# Altium PCB grov_pcb_card.PcbDoc
Units mil, origin at the board's own origin, x right, y up, seen from the top; angles counter-clockwise.
Board outline 3543.31 x 3543.31 mil, 2 copper layers (Top Layer, Bottom Layer); 27 components, 46 nets, 196 pads, 68 vias.
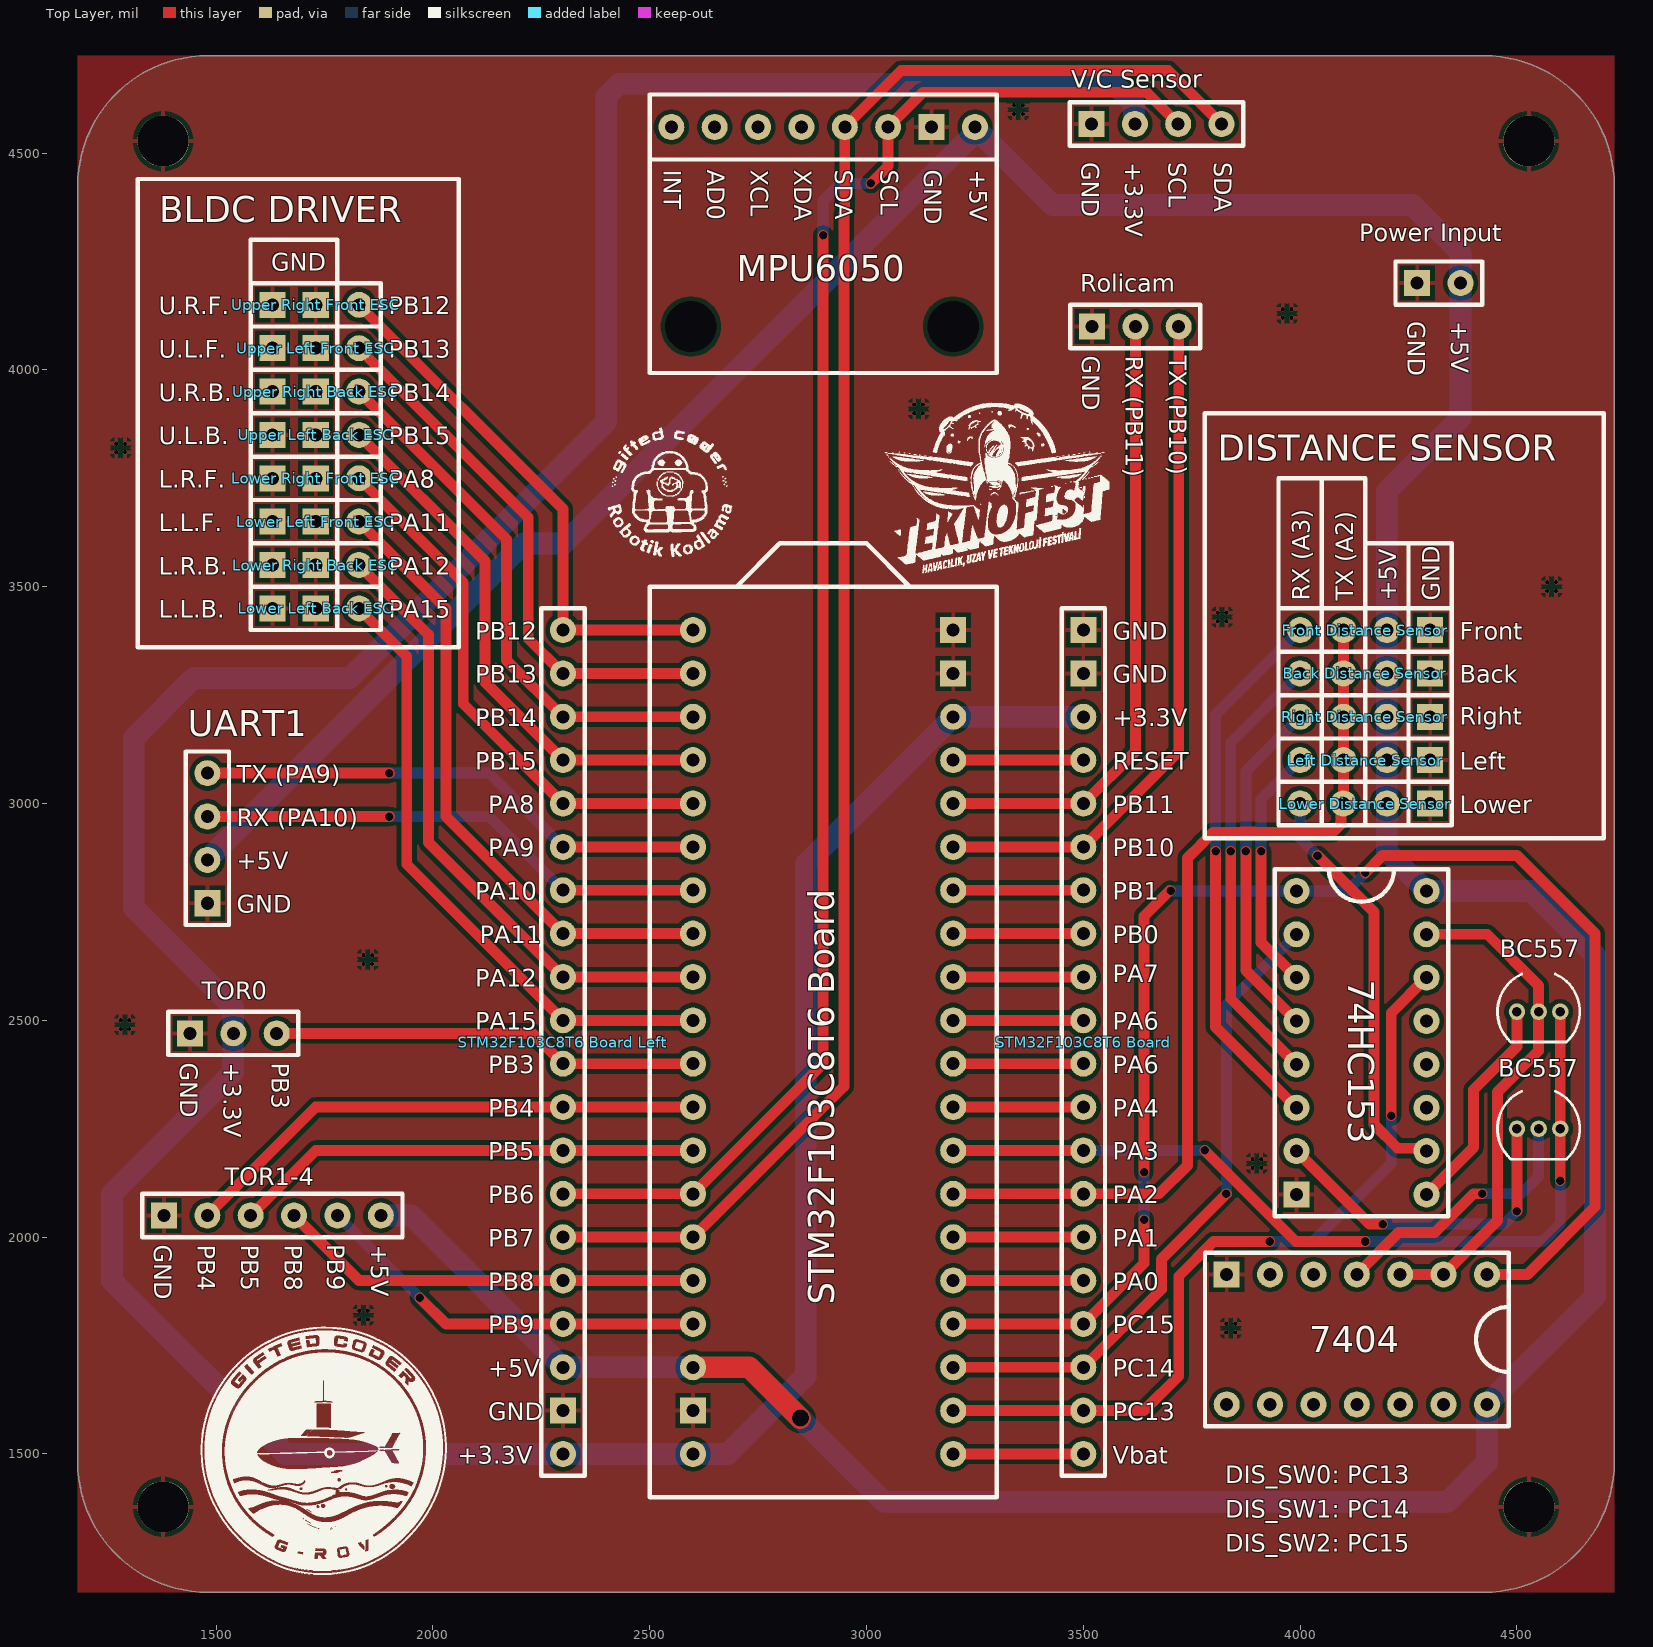
[diagram p0: Top Layer view]
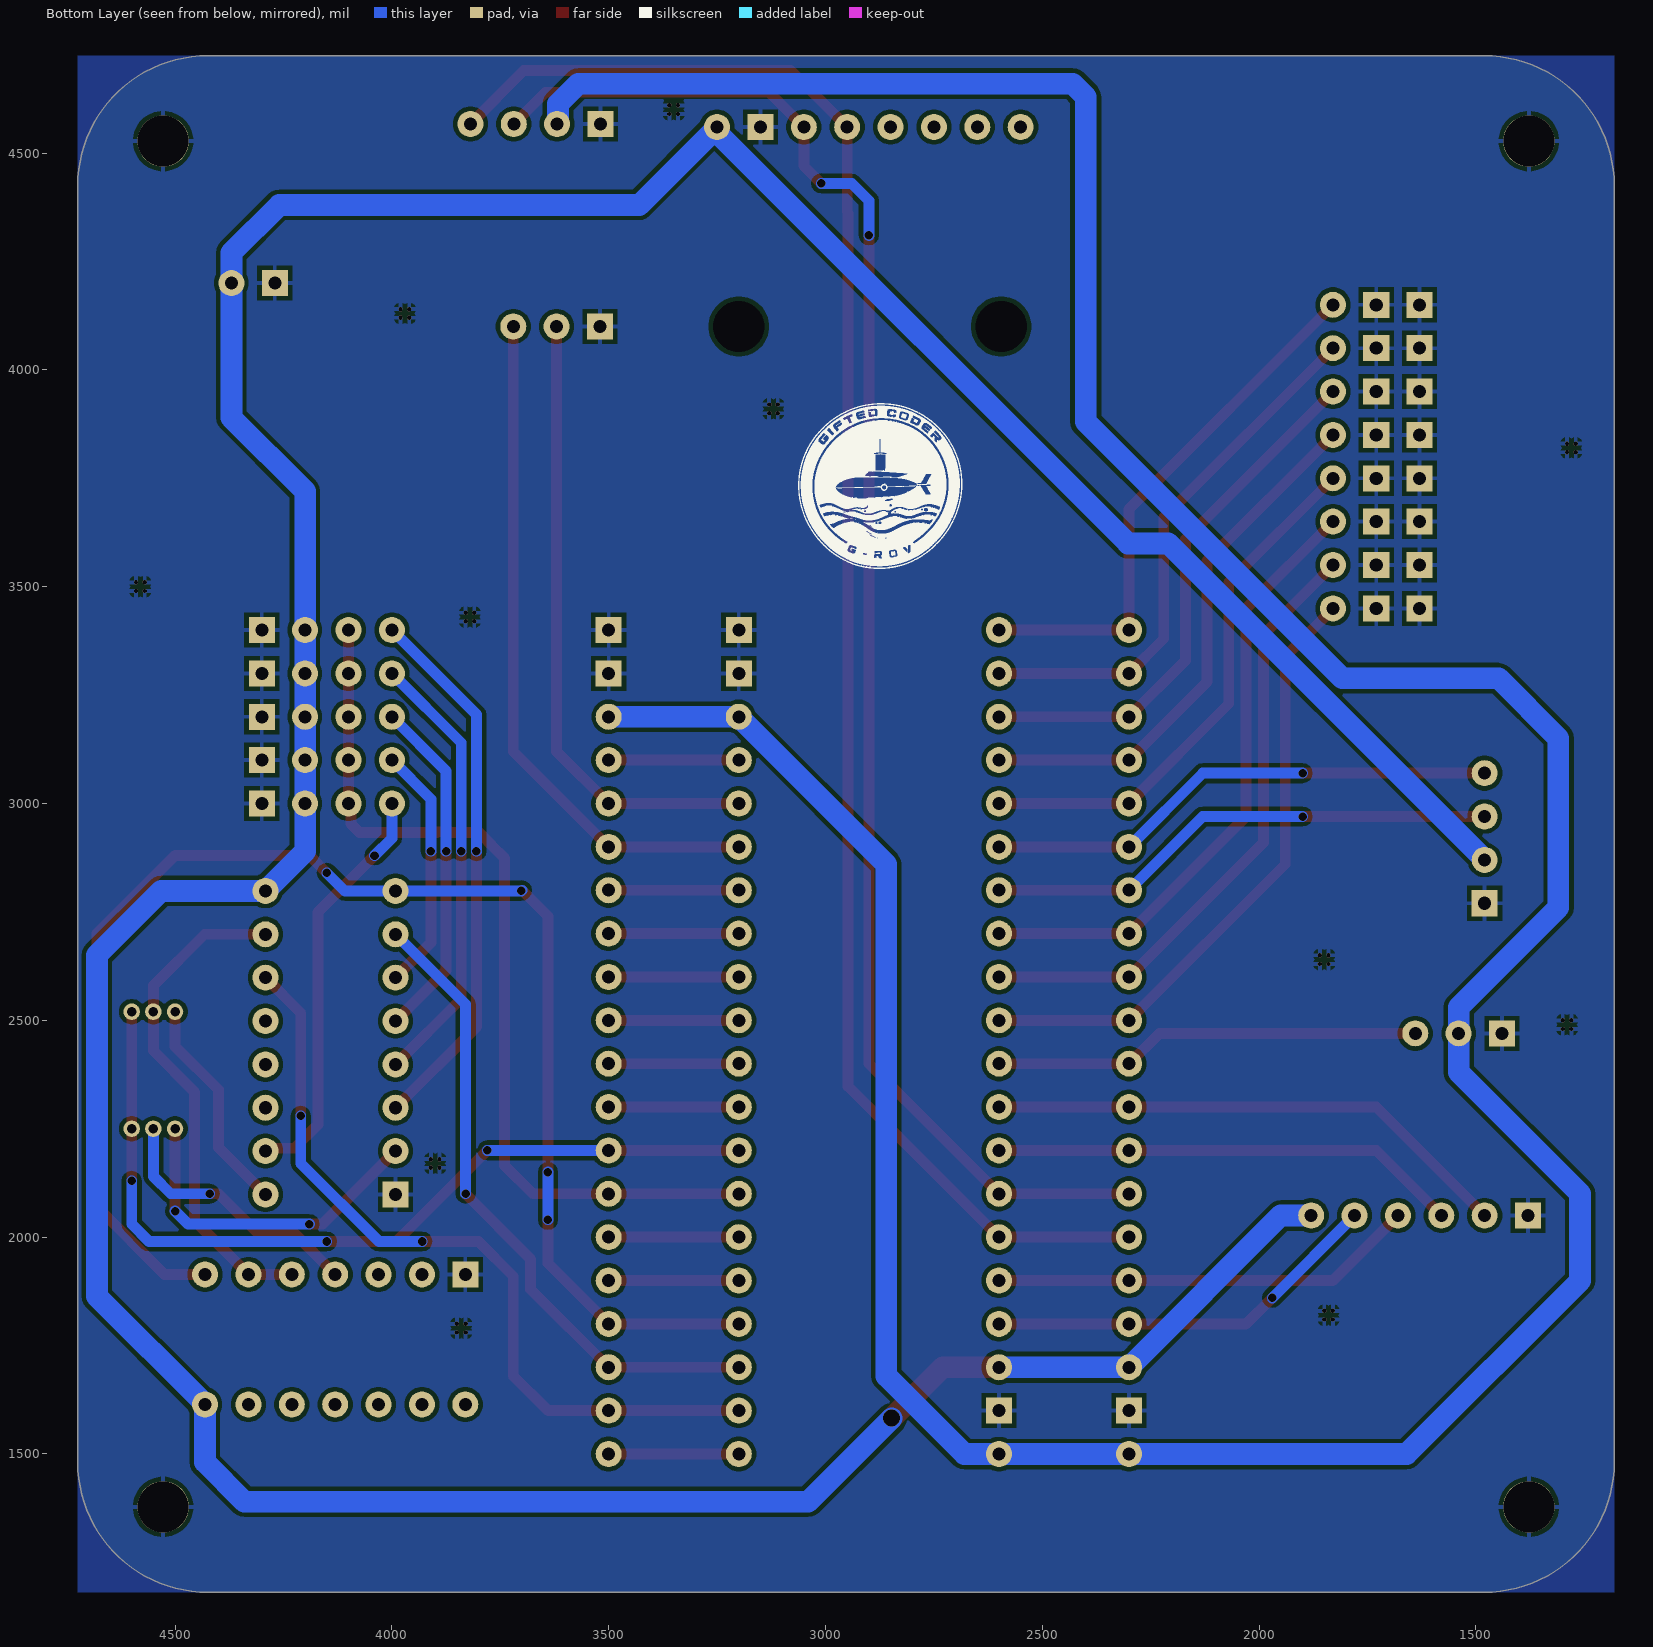
[diagram p1: Bottom Layer view, seen from below]

## Layer stack, top to bottom
Top Solder: solder mask 0.4, Solder Resist, Dk 3.5
Top Layer: signal copper 1.4
Dielectric 1: dielectric 12.6, FR-4, Dk 4.8
Bottom Layer: signal copper 1.4
Bottom Solder: solder mask 0.4, Solder Resist, Dk 3.5

## Board outline
1181.1,1481.1 1181.1,4424.41 cw(c1481.1,4424.41) 1481.1,4724.41 4424.41,4724.41 cw(c4424.41,4424.41) 4724.41,4424.41 4724.41,1481.1 cw(c4424.41,1481.1) 4424.41,1181.1 1481.1,1181.1 cw(c1481.1,1481.1)

## Design rules (kind name [scope] priority, off if disabled: settings)
Clearance [All] p1: gap=10 ignorepadtopadclearanceinfootprint=FALSE except(0: Arc-Hole Track-Hole SMDPad-Hole THPad-Hole Via-Hole Fill-Hole Poly-Hole Region-Hole Text-Hole)
HoleSize [All] p1: absolutevalues=TRUE maxlimit=200 minlimit=1 maxpercent=80.000 minpercent=20.000
MinimumSolderMaskSliver [All] p1: minsoldermaskwidth=1
PolygonConnect [All] p1: connectstyle=Relief reliefconductorwidth=10 reliefentries=4 polygonreliefangle="90 Angle" airgapwidth=10
RoutingVias [All] p1: holewidth=28 width=50 viastyle="Through Hole" minholewidth=28 minwidth=50 maxholewidth=28 maxwidth=50
SilkToSilkClearance [All] p1: silktosilkclearance=1
SolderMaskExpansion [All] p1: expansion=4 istentingtop=FALSE
Width [All] p1: maxlimit=50 minlimit=10 preferedwidth=25 minimp=50.000000 maximp=50.000000 favimp=50.000000
27 further rules are at their usual default settings.

## Classes and differential pairs
component class GROV_PCB_Ileri_v2: 74hc153 7404 "Back Distance Sensor" BC557 "Front Distance Sensor" "Left Distance Sensor" "Lower Distance Sensor" "Lower Left Back ESC" "Lower Left Front ESC" "Lower Right Back ESC" "Lower Right Front ESC" MPU6050 "Power Input" "Right Distance Sensor" Rolicam "STM32F103C8T6 Board" "STM32F103C8T6 Board Left" TOR0 TOR1-4 UART1 "Upper Left Back ESC" "Upper Left Front ESC" "Upper Right Back ESC" "Upper Right Front ESC" "V/C Sensor"

## Components (designator, comment, footprint, x,y, rotation, side; value= is the part's Value field where it differs from the comment)
74HC153 "74hc153" 74HC153 3991.34,2798.43 r0 top (schematic designator 74hc153)
7404 "7404" 7404 4430.71,1914.17 r270 top
"Back Distance Sensor" "Back Distance Sensor" "BACK DISTANCE SENSOR" 4000,3300 r0 top
BC557 "BC557" BC557 4550,2250 r0 top
BC557 "BC557" BC557 4550,2520 r0 top
"Front Distance Sensor" "Front Distance Sensor" "FRONT DISTANCE SENSOR" 4000,3400 r0 top
"Left Distance Sensor" "Left Distance Sensor" "LEFT DISTANCE SENSOR" 4000,3100 r0 top
"Lower Distance Sensor" "Lower Distance Sensor" "LOWER DISTANCE SENSOR" 4000,3000 r0 top
"Lower Left Back ESC" "Lower Left Back ESC" "Lower Left Back ESC" 1630,3450 r0 top
"Lower Left Front ESC" "Lower Left Front ESC" "Lower Left Front ESC" 1630,3650 r0 top
"Lower Right Back ESC" "Lower Right Back ESC" "Lower Right Back ESC" 1630,3550 r0 top
"Lower Right Front ESC" "Lower Right Front ESC" "Lower Right Front ESC" 1630,3750 r0 top
MPU6050 "MPU6050" MPU6050 2550,4560 r0 top
"Power Input" "Power Input" "Power Input" 4270,4200 r0 top
"Right Distance Sensor" "Right Distance Sensor" "RIGHT DISTANCE SENSOR" 4000,3200 r0 top
Rolicam "Rolicam" Rolicam 3520,4100 r0 top
"STM32F103C8T6 Board" "STM32F103C8T6 Board Right" "STM32F103C8T6 BOARD RIGHT" 3500,3400 r0 top
"STM32F103C8T6 Board" "STM32F103C8T6 Board" "STM32F103C8T6 BOARD" 2600,3400 r0 top
"STM32F103C8T6 Board Left" "STM32F103C8T6 Board Left" "STM32F103C8T6 BOARD LEFT" 2300,3400 r0 top
TOR0 "Torpido0" TORPIDO0 1440,2470 r0 top
TOR1-4 "Torpido1-4" Torpido1-4 1380,2050 r0 top
UART1 "UART1" UART1 1480,2770 r90 top
"Upper Left Back ESC" "Upper Left Back ESC" "Upper Left Back ESC" 1630,3850 r0 top
"Upper Left Front ESC" "Upper Left Front ESC" "Upper Left Front ESC" 1630,4050 r0 top
"Upper Right Back ESC" "Upper Right Back ESC" "Upper Right Back ESC" 1630,3950 r0 top
"Upper Right Front ESC" "Upper Right Front ESC" "Upper Right Front ESC" 1630,4150 r0 top
"V/C Sensor" "Voltage Current Sensor" "Voltage Current Sensor" 3518.9,4566.93 r0 top

## Footprints (in the part's own frame and the unit in brackets; to place one, negate y for a bottom-side part, rotate by r counter-clockwise, add the part's x,y. Pads: shape width x height; smd on the part's side, far side on the other; paste and mask are expansions set on the pad)
74HC153 [mil]
  round 60 hole 30: 1E(0,0) 1X0(0,-500) 1X1(0,-400) 1X2(0,-300) 1X3(0,-200) 1Y(0,-600) 2E(300,-100) 2X0(300,-600) 2X1(300,-500) 2X2(300,-400) 2X3(300,-300) 2Y(300,-700) +5V(300,0) A(300,-200) B(0,-100)
  rect 60x60 hole 30: GND(0,-700)
  silkscreen extent -50,-750 350,50, body extent -50,-762 352,62, height 310
7404 [mil]
  round 60 hole 30: 1X(0,0) 1Y(0,-100) 2X(0,-200) 2Y(0,-300) 3X(0,-400) 3Y(0,-500) 4X(300,-500) 4Y(300,-600) 5X(300,-300) 5Y(300,-400) 6X(300,-100) 6Y(300,-200) +5V(300,0)
  rect 60x60 hole 30: GND(0,-600)
  silkscreen extent -50,-650 350,50, body extent -50,-660 352,60, height 310
"BACK DISTANCE SENSOR" [mil]
  round 60 hole 30: +5V(200,0) RX(0,0) TX(100,0)
  rect 60x60 hole 30: GND(300,0)
  silkscreen extent -50,-50 350,50, body extent -50,-49 350,49, height 330
BC557 [mil]
  round 38 hole 22: B(-0.01,0) C(-50,0) E(50,0)
  silkscreen extent -95,-70 95,87, body extent -94,-60 94,94, height 305
"FRONT DISTANCE SENSOR" [mil]
  round 60 hole 30: +5V(200,0) RX(0,0) TX(100,0)
  rect 60x60 hole 30: GND(300,0)
  silkscreen extent -50,-50 350,50, body extent -50,-49 350,49, height 330
"LEFT DISTANCE SENSOR" [mil]
  round 60 hole 30: +5V(200,0) RX(0,0) TX(100,0)
  rect 60x60 hole 30: GND(300,0)
  silkscreen extent -50,-50 350,50, body extent -50,-49 350,49, height 330
"LOWER DISTANCE SENSOR" [mil]
  round 60 hole 30: +5V(200,0) RX(0,0) TX(100,0)
  rect 60x60 hole 30: GND(300,0)
  silkscreen extent -50,-50 350,50, body extent -50,-49 350,49, height 330
"Lower Left Back ESC" [mil]
  rect 60x60 hole 30: GND(0,0) GND(100,0)
  round 60 hole 30: SIG(200,0)
  silkscreen extent -50,-50 250,50, body extent -50,-50 250,50, height 350
"Lower Left Front ESC" [mil]
  rect 60x60 hole 30: GND(0,0) GND(100,0)
  round 60 hole 30: SIG(200,0)
  silkscreen extent -50,-50 250,50, body extent -50,-50 250,50, height 350
"Lower Right Back ESC" [mil]
  rect 60x60 hole 30: GND(0,0) GND(100,0)
  round 60 hole 30: SIG(200,0)
  silkscreen extent -50,-50 250,50, body extent -50,-50 250,50, height 350
"Lower Right Front ESC" [mil]
  rect 60x60 hole 30: GND(0,0) GND(100,0)
  round 60 hole 30: SIG(200,0)
  silkscreen extent -50,-50 250,50, body extent -50,-50 250,50, height 350
MPU6050 [mil]
  round 60 hole 118.11: 6(45,-460) 6(650,-460)
  round 60 hole 30: +5V(700,0) AD0(100,0) INT(0,0) SCL(500,0) SDA(400,0) XCL(200,0) XDA(300,0)
  rect 60x60 hole 30: GND(600,0)
  silkscreen extent -50,-567 750,75, body extent -52,-550 750,50, height 582
"Power Input" [mil]
  round 60 hole 30: +5V(100,0)
  rect 60x60 hole 30: GND(0,0)
  silkscreen extent -50,-50 150,50, body extent -50,-50 150,50, height 355
"RIGHT DISTANCE SENSOR" [mil]
  round 60 hole 30: +5V(200,0) RX(0,0) TX(100,0)
  rect 60x60 hole 30: GND(300,0)
  silkscreen extent -50,-50 350,50, body extent -50,-49 350,49, height 330
Rolicam [mil]
  rect 60x60 hole 30: GND(0,0)
  round 60 hole 30: RX(100,0) TX(200,0)
  silkscreen extent -50,-50 250,50, body extent -50,-50 250,50, height 330
"STM32F103C8T6 BOARD" [mil]
  round 60 hole 30: +3.3V(0,-1900) +3.3V(600,-200) +5V(0,-1700) PA0(600,-1500) PA1(600,-1400) PA2(600,-1300) PA3(600,-1200) PA4(600,-1100) PA5(600,-1000) PA6(600,-900) PA7(600,-800) PA8(0,-400) PA9(0,-500) PA10(0,-600) PA11(0,-700) PA12(0,-800) PA15(0,-900) PB0(600,-700) PB1(600,-600) PB3(0,-1000) PB4(0,-1100) PB5(0,-1200) PB6(0,-1300) PB7(0,-1400) PB8(0,-1500) PB9(0,-1600) PB10(600,-500) PB11(600,-400) PB12(0,0) PB13(0,-100) PB14(0,-200) PB15(0,-300) PC13(600,-1800) PC14(600,-1700) PC15(600,-1600) RESET(600,-300) Vbat(600,-1900)
  rect 60x60 hole 30: GND(0,-1800) GND(600,-100) GND(600,0)
  silkscreen extent -100,-2000 700,200, body extent -153,-2200 753,76, height 703
"STM32F103C8T6 BOARD LEFT" [mil]
  round 60 hole 30: +3.3V(0,-1900) +5V(0,-1700) PA8(0,-400) PA9(0,-500) PA10(0,-600) PA11(0,-700) PA12(0,-800) PA15(0,-900) PB3(0,-1000) PB4(0,-1100) PB5(0,-1200) PB6(0,-1300) PB7(0,-1400) PB8(0,-1500) PB9(0,-1600) PB12(0,0) PB13(0,-100) PB14(0,-200) PB15(0,-300)
  rect 60x60 hole 30: GND(0,-1800)
  silkscreen extent -50,-1950 50,50, body extent -49,-1950 49,50, height 330
"STM32F103C8T6 BOARD RIGHT" [mil]
  round 60 hole 30: +3.3V(0,-200) PA0(0,-1500) PA1(0,-1400) PA2(0,-1300) PA3(0,-1200) PA4(0,-1100) PA5(0,-1000) PA6(0,-900) PA7(0,-800) PB0(0,-700) PB1(0,-600) PB10(0,-500) PB11(0,-400) PC13(0,-1800) PC14(0,-1700) PC15(0,-1600) RESET(0,-300) Vbat(0,-1900)
  rect 60x60 hole 30: GND(0,-100) GND(0,0)
  silkscreen extent -50,-1950 50,50, body extent -49,-1950 49,50, height 330
TORPIDO0 [mil]
  round 60 hole 30: +3.3V(100,0) SIG(200,0)
  rect 60x60 hole 30: GND(0,0)
  silkscreen extent -50,-50 250,50, body extent -50,-50 250,50, height 330
Torpido1-4 [mil]
  round 60 hole 30: +5V(500,0) IN1(100,0) IN2(200,0) IN3(300,0) IN4(400,0)
  rect 60x60 hole 30: GND(0,0)
  silkscreen extent -50,-50 550,50, body extent -50,-50 550,50, height 336
UART1 [mil]
  round 60 hole 30: +5V(100,0) RX(200,0) TX(300,0)
  rect 60x60 hole 30: GND(0,0)
  silkscreen extent -50,-50 350,50, body extent -50,-49 350,49, height 330
"Upper Left Back ESC" [mil]
  rect 60x60 hole 30: GND(0,0) GND(100,0)
  round 60 hole 30: SIG(200,0)
  silkscreen extent -50,-50 250,50, body extent -50,-50 250,50, height 350
"Upper Left Front ESC" [mil]
  rect 60x60 hole 30: GND(0,0) GND(100,0)
  round 60 hole 30: SIG(200,0)
  silkscreen extent -50,-50 250,50, body extent -50,-50 250,50, height 350
"Upper Right Back ESC" [mil]
  rect 60x60 hole 30: GND(0,0) GND(100,0)
  round 60 hole 30: SIG(200,0)
  silkscreen extent -50,-50 250,50, body extent -50,-50 250,50, height 350
"Upper Right Front ESC" [mil]
  rect 60x60 hole 30: GND(0,0) GND(100,0)
  round 60 hole 30: SIG(200,0)
  silkscreen extent -50,-50 250,50, body extent -50,-50 250,50, height 350
"Voltage Current Sensor" [mil]
  round 60 hole 30: +3.3V(100,0) SCL(200,0) SDA(300,0)
  rect 60x60 hole 30: GND(0,0)
  silkscreen extent -50,-50 350,50, body extent -50,-48 350,50, height 330

## Part data
BC557 BC557: "Bipolar (BJT) Transistor PNP 45 V 100 mA 320MHz 625 mW Through Hole TO-92 (TO-226)", Package="E-PKG AXIAL-LEADED-2 ON Semiconductor", Availability="In Stock", Check_prices=https://www.snapeda.com/parts/BC557/Onsemi/view-part/?ref=eda, MF=ON, MP=BC557, Price=None, SnapEDA_Link=https://www.snapeda.com/parts/BC557/Onsemi/view-part/?ref=snap

## Free pads (board coordinates)
  round 118.11 hole 118.11: 7(1377.95,1377.95) 7(1377.95,4527.56) 7(4527.56,1377.95) 7(4527.56,4527.56)

## Via types
v1: diameter 10, hole 10, Top Layer to Bottom Layer, 44 vias
v2: diameter 19.68, hole 19.68, Top Layer to Bottom Layer, 23 vias
v3: diameter 39.37, hole 39.37, Top Layer to Bottom Layer, 1 vias

## Nets (pads, with @x,y where several pads share a name; then routed paths per layer and width w, separated by ;. In a path a pad name is that pad's centre, name@x,y a point inside that pad or via, vN(x,y) a via of type N, cw(c..) or ccw(c..) an arc to the next point about the centre after c; other vN are vias at no path point)
+3.3: "STM32F103C8T6 Board Left.+3.3V" "STM32F103C8T6 Board.+3.3V" "V/C Sensor.+3.3V" TOR0.+3.3V | length 8700.9
  Bottom Layer w50: 3500,3200 3200,3200 2860,2860 2860,1680 2680,1500 2300,1500 1660,1500 1260,1900 1260,2100 1540,2380 1540,2530 1310,2760 1310,3150.71 1448.05,3288.76 1808.76,3288.76 2400,3880 2400,4630 2430,4660 3570,4660 3616.98,4613.02 3616.98,4568.84 3618.9,4566.93
+5: 74HC153.+5V 7404.+5V "Back Distance Sensor.+5V" "Front Distance Sensor.+5V" "Left Distance Sensor.+5V" "Lower Distance Sensor.+5V" "Power Input.+5V" "Right Distance Sensor.+5V" "STM32F103C8T6 Board Left.+5V" "STM32F103C8T6 Board.+5V" MPU6050.+5V TOR1-4.+5V UART1.+5V | length 9879.1
  Top Layer w50: 2600,1700 2730,1700 v3(2847.43,1582.57)
  Bottom Layer w50: UART1.+5V 2209.73,3599.73 2302.46,3599.73 3248.09,4545.36 3248.09,4558.09 MPU6050.+5V 3430,4380 4260,4380 4370,4270 4370,4200 ; TOR1-4.+5V 1950,2050 2300,1700 2600,1700 ; v3(2847.43,1582.57) 3040,1390 4340,1390 4430.71,1480.71 7404.+5V 4680,1863.46 4680,2650 4531.57,2798.43 74HC153.+5V 4200,2889.76 4200,3000 4200,3100 4200,3200 4200,3300 4200,3400 4200,3720 4370,3890 4370,4197.29
BACK_DIS_RX: 74HC153.1X1 "Back Distance Sensor.RX" | length 1030.5
  Top Layer w25: v2(3840,2890) 3840,2549.76 74HC153.1X1
  Bottom Layer w25: v2(3840,2890) 3840,3140 4000,3300
DIS_RX: "STM32F103C8T6 Board.PA3" BC557.E | length 1993.6
  Top Layer w25: 3200,2200 3500,2200 ; v2(3780,2200) 3990,1990 v2(4150,1990) ; v2(4600,2130) BC557.E@4600,2520
  Bottom Layer w25: 3500,2200 v2(3780,2200) ; v2(4150,1990) 4560,1990 4600,2030 v2(4600,2130)
DIS_SW0: 74HC153.A "STM32F103C8T6 Board.PC13" | length 1842.9
  Top Layer w25: 3200,1600 3500,1600 3640,1600 3720,1680 3720,1910 3800,1990 v2(3930,1990) ; v2(4210,2280) 4210,2517.09 74HC153.A
  Bottom Layer w25: v2(3930,1990) 4030,1990 4210,2170 v2(4210,2280)
DIS_SW1: 74HC153.B "STM32F103C8T6 Board.PC14" | length 1501.9
  Top Layer w25: 3200,1700 3500,1700 3680,1880 3680,1950 v2(3830,2100)
  Bottom Layer w25: v2(3830,2100) 3830,2537.09 74HC153.B
DIS_SW2: 74HC153.1E 7404.1X "STM32F103C8T6 Board.PC15" | length 3415.7
  Top Layer w25: 3200,1800 3500,1800 3640,1940 v2(3640,2040) ; v2(3640,2150) 3640,2740 v2@3700,2800 ; v2(4150,2840) 4190,2880 4500,2880 4680,2700 4680,2070 4524.17,1914.17 7404.1X
  Bottom Layer w25: v2(3640,2040) v2(3640,2150) ; v2@3700,2800 v2(3701.57,2798.43) 74HC153.1E 4108.43,2798.43 v2(4150,2840)
DIS_TX: "Back Distance Sensor.TX" "Front Distance Sensor.TX" "Left Distance Sensor.TX" "Lower Distance Sensor.TX" "Right Distance Sensor.TX" "STM32F103C8T6 Board.PA2" | length 2114.3
  Top Layer w25: 3200,2100 3500,2100 3674.8,2100 3740.16,2165.35 3740.16,2874.02 3770,2903.86 3770,2904.5 3790.5,2925 3791.14,2925 3799.21,2933.07 3863.57,2933.07 3865.5,2935 3894.5,2935 3896.43,2933.07 4074.8,2933.07 4094.49,2952.76 4094.49,2994.49 4100,3000 4100,3100 4100,3200 4100,3300 4100,3400
FRONT_DIS_RX: 74HC153.1X0 "Front Distance Sensor.RX" | length 1259.5
  Top Layer w25: v2(3805,2890) 3805,2484.76 74HC153.1X0
  Bottom Layer w25: v2(3805,2890) 3805,3205 4000,3400
GND: 74HC153.GND 7404.GND "Back Distance Sensor.GND" "Front Distance Sensor.GND" "Left Distance Sensor.GND" "Lower Distance Sensor.GND" "Lower Left Back ESC.GND" "Lower Left Front ESC.GND" "Lower Right Back ESC.GND" "Lower Right Front ESC.GND" "Power Input.GND" "Right Distance Sensor.GND" "STM32F103C8T6 Board Left.GND" "STM32F103C8T6 Board.GND" "Upper Left Back ESC.GND" "Upper Left Front ESC.GND" "Upper Right Back ESC.GND" "Upper Right Front ESC.GND" "V/C Sensor.GND" MPU6050.GND pad.7 Rolicam.GND TOR0.GND TOR1-4.GND UART1.GND
  other v1: 3830,1780 3850,1780 3830,1800 3850,1800 1830,1810 1850,1810 1830,1830 1850,1830 3890,2160 3910,2160 3890,2180 3910,2180 1280,2480 1300,2480 1280,2500 1300,2500 1840,2630 1860,2630 1840,2650 1860,2650 3810,3420 3830,3420 3810,3440 3830,3440 4570,3490 4590,3490 4570,3510 4590,3510 1270,3810 1290,3810 1270,3830 1290,3830 3110,3900 3130,3900 3110,3920 3130,3920 3960,4120 3980,4120 3960,4140 3980,4140 3340,4590 3360,4590 3340,4610 3360,4610
I2C1_SCL: "STM32F103C8T6 Board Left.PB6" "STM32F103C8T6 Board.PB6" "V/C Sensor.SCL" MPU6050.SCL | length 3719.7
  Top Layer w25: 2300,2100 2600,2100 2900,2400 v2(2900,4310) ; v2(3010,4430) 3050,4470 MPU6050.SCL 3130,4640 3645.83,4640 3718.9,4566.93
  Bottom Layer w25: v2(2900,4310) 2900,4390 2939.64,4429.64 3009.64,4429.64 v2(3010,4430)
I2C1_SDA: "STM32F103C8T6 Board Left.PB7" "STM32F103C8T6 Board.PB7" "V/C Sensor.SDA" MPU6050.SDA | length 3978.7
  Top Layer w25: 2300,2000 2600,2000 2947.78,2347.78 2947.78,4361.72 2950,4363.94 MPU6050.SDA 3080,4690 3695.83,4690 3818.9,4566.93
LEFT_DIS_RX: 74HC153.1X3 "Left Distance Sensor.RX" | length 572.5
  Top Layer w25: v2(3910,2890) 3910,2679.76 74HC153.1X3
  Bottom Layer w25: v2(3910,2890) 3910,3010 4000,3100
LLB_ESC: "Lower Left Back ESC.SIG" "STM32F103C8T6 Board Left.PA15" "STM32F103C8T6 Board.PA15" | length 1444.9
  Top Layer w25: 1829.37,3450 1940,3339.37 1940,2860 2300,2500 2600,2500
LLF_ESC: "Lower Left Front ESC.SIG" "STM32F103C8T6 Board Left.PA11" "STM32F103C8T6 Board.PA11" | length 1444.9
  Top Layer w25: 1829.37,3650 2030,3449.37 2030,2970 2300,2700 2600,2700
LOWER_DIS_RX: 74HC153.2X0 "Lower Distance Sensor.RX" | length 957.3
  Top Layer w25: v2(4040,2880) 4170,2750 4170,2260 4224.88,2205.12 4284.64,2205.12 74HC153.2X0
  Bottom Layer w25: 4000,3000 4000,2920 v2(4040,2880)
LRB_ESC: "Lower Right Back ESC.SIG" "STM32F103C8T6 Board Left.PA12" "STM32F103C8T6 Board.PA12" | length 1444.9
  Top Layer w25: 1829.37,3550 1990,3389.37 1990,2910 2300,2600 2600,2600
LRF_ESC: "Lower Right Front ESC.SIG" "STM32F103C8T6 Board Left.PA8" "STM32F103C8T6 Board.PA8" | length 1244.9
  Top Layer w25: 1829.37,3750 2070,3509.37 2070,3230 2300,3000 2600,3000
Net74hc153_1Y: 74HC153.1Y BC557.C@4500,2250 | length 780.9
  Top Layer w25: 74HC153.1Y 4159.76,2030 v2(4190,2030) ; v2(4500,2060) BC557.C@4500,2250
  Bottom Layer w25: v2(4190,2030) 4470,2030 v2(4500,2060)
Net74hc153_2E: 74HC153.2E 7404.1Y 7404.2X BC557.B@4549.99,2520 | length 1164.4
  Top Layer w25: 7404.2X 7404.1Y 4455,2038.46 4455,2335 4549.99,2429.99 4549.99,2520 4549.99,2580.01 4431.57,2698.43 74HC153.2E
Net74hc153_2Y: 74HC153.2Y BC557.C@4500,2520 | length 508
  Top Layer w25: 74HC153.2Y 4400,2207.09 4400,2340 4500,2440 BC557.C@4500,2520
Net7404_2Y: 7404.2Y BC557.B@4549.99,2250 | length 622.8
  Top Layer w25: 7404.2Y 4226.97,2010.44 4310.44,2010.44 4400,2100 v2(4420,2100)
  Bottom Layer w25: v2(4420,2100) 4510,2100 4549.99,2139.99 BC557.B@4549.99,2250
"NetSTM32F103C8T6 Board_PA0": "STM32F103C8T6 Board.PA0" | length 300
  Top Layer w25: 3200,1900 3500,1900
"NetSTM32F103C8T6 Board_PA1": "STM32F103C8T6 Board.PA1" | length 300
  Top Layer w25: 3200,2000 3500,2000
"NetSTM32F103C8T6 Board_PA4": "STM32F103C8T6 Board.PA4" | length 300
  Top Layer w25: 3200,2300 3500,2300
"NetSTM32F103C8T6 Board_PA5": "STM32F103C8T6 Board.PA5" | length 300
  Top Layer w25: 3200,2400 3500,2400
"NetSTM32F103C8T6 Board_PA6": "STM32F103C8T6 Board.PA6" | length 300
  Top Layer w25: 3200,2500 3500,2500
"NetSTM32F103C8T6 Board_PA7": "STM32F103C8T6 Board.PA7" | length 300
  Top Layer w25: 3200,2600 3500,2600
"NetSTM32F103C8T6 Board_PB0": "STM32F103C8T6 Board.PB0" | length 300
  Top Layer w25: 3200,2700 3500,2700
"NetSTM32F103C8T6 Board_PB1": "STM32F103C8T6 Board.PB1" | length 300
  Top Layer w25: 3200,2800 3500,2800
"NetSTM32F103C8T6 Board_RESET": "STM32F103C8T6 Board.RESET" | length 300
  Top Layer w25: 3200,3100 3500,3100
"NetSTM32F103C8T6 Board_Vbat": "STM32F103C8T6 Board.Vbat" | length 300
  Top Layer w25: 3200,1500 3500,1500
RIGHT_DIS_RX: 74HC153.1X2 "Right Distance Sensor.RX" | length 801.5
  Top Layer w25: v2(3875,2890) 3875,2614.76 74HC153.1X2
  Bottom Layer w25: v2(3875,2890) 3875,3075 4000,3200
ROLICAM_RX: "STM32F103C8T6 Board.PB11" Rolicam.RX | length 1449.7
  Top Layer w25: 3200,3000 3500,3000 3620,3120 Rolicam.RX
ROLICAM_TX: "STM32F103C8T6 Board.PB10" Rolicam.TX | length 1591.1
  Top Layer w25: 3200,2900 3500,2900 3720,3120 Rolicam.TX
TOR0: "STM32F103C8T6 Board Left.PB3" "STM32F103C8T6 Board.PB3" TOR0.SIG | length 989
  Top Layer w25: TOR0.SIG 2230,2470 2300,2400 2600,2400
TOR1: "STM32F103C8T6 Board Left.PB4" "STM32F103C8T6 Board.PB4" TOR1-4.IN1 | length 1223.6
  Top Layer w25: TOR1-4.IN1 1730,2300 2300,2300 2600,2300
TOR2: "STM32F103C8T6 Board Left.PB5" "STM32F103C8T6 Board.PB5" TOR1-4.IN2 | length 1082.1
  Top Layer w25: TOR1-4.IN2 1730,2200 2300,2200 2600,2200
TOR3: "STM32F103C8T6 Board Left.PB8" "STM32F103C8T6 Board.PB8" TOR1-4.IN3 | length 982.1
  Top Layer w25: TOR1-4.IN3 1830,1900 2300,1900 2600,1900
TOR4: "STM32F103C8T6 Board Left.PB9" "STM32F103C8T6 Board.PB9" TOR1-4.IN4 | length 923.6
  Top Layer w25: v2(1970,1860) 2030,1800 2300,1800 2600,1800
  Bottom Layer w25: TOR1-4.IN4 v2(1970,1860)
UART1_RX: "STM32F103C8T6 Board Left.PA10" "STM32F103C8T6 Board.PA10" UART1.RX | length 1190.4
  Top Layer w25: UART1.RX v2(1900,2970) ; 2300,2800 2600,2800
  Bottom Layer w25: v2(1900,2970) 2130,2970 2300,2800
UART1_TX: "STM32F103C8T6 Board Left.PA9" "STM32F103C8T6 Board.PA9" UART1.TX | length 1190.4
  Top Layer w25: UART1.TX v2(1900,3070) ; 2300,2900 2600,2900
  Bottom Layer w25: v2(1900,3070) 2130,3070 2300,2900
ULB_ESC: "STM32F103C8T6 Board Left.PB15" "STM32F103C8T6 Board.PB15" "Upper Left Back ESC.SIG" | length 1244.9
  Top Layer w25: 1829.37,3850 2120,3559.37 2120,3280 2300,3100 2600,3100
ULF_ESC: "STM32F103C8T6 Board Left.PB13" "STM32F103C8T6 Board.PB13" "Upper Left Front ESC.SIG" | length 1244.9
  Top Layer w25: 1829.37,4050 2220,3659.37 2220,3380 2300,3300 2600,3300
URB_ESC: "STM32F103C8T6 Board Left.PB14" "STM32F103C8T6 Board.PB14" "Upper Right Back ESC.SIG" | length 1244.9
  Top Layer w25: 1829.37,3950 2170,3609.37 2170,3330 2300,3200 2600,3200
URF_ESC: "STM32F103C8T6 Board Left.PB12" "STM32F103C8T6 Board.PB12" "Upper Right Front ESC.SIG" | length 1244.9
  Top Layer w25: 1829.37,4150 2300,3679.37 2300,3400 2600,3400
pads on no net: 74HC153.2X1 74HC153.2X2 74HC153.2X3 7404.3X 7404.3Y 7404.4X 7404.4Y 7404.5X 7404.5Y 7404.6X 7404.6Y MPU6050.6 MPU6050.AD0 MPU6050.INT MPU6050.XCL MPU6050.XDA

## Polygon pours and split planes (outlines as drawn)
GND on Top Layer "GND_L01_P001" (solid, pour order 1): 1181.1,4724.41 4724.41,4724.41 4724.41,1181.1 1181.1,1181.1
GND on Bottom Layer "GND_L02_P000" (solid, pour order 0): 1181.1,4724.41 4724.41,4724.41 4724.41,1181.1 1181.1,1181.1

## Silkscreen, mask and mechanical layers (free items; w line width, h text height)
Top Overlay:
  drawing of 223 lines, arcs and shapes, not listed
  text "BLDC DRIVER" at 1369.37,4340 h60
  text "GND" at 1627.37,4228 h40
  text "DISTANCE SENSOR" at 3810,3790 h60
  text "RX (A3)" at 4022,3468 h40 r90
  text "TX (A2)" at 4122,3468 h40 r90
  text "+5V" at 4222,3468 h40 r90
  text "GND" at 4322,3468 h40 r90
  text "DIS_SW0: PC13" at 3826.9,1431.99 h40
  text "DIS_SW1: PC14" at 3826.9,1353.25 h40
  text "DIS_SW2: PC15" at 3826.9,1274.51 h40
Bottom Overlay:
  drawing of 5 lines, arcs and shapes, not listed
Bottom Solder:
  the board outline again, w10

## Text inside footprints (layer, text, board x,y; h text height)
"Back Distance Sensor": Top Overlay "Back" at 4368,3278 h40
"Front Distance Sensor": Top Overlay "Front" at 4368,3378 h40
"Left Distance Sensor": Top Overlay "Left" at 4368,3078 h40
"Lower Distance Sensor": Top Overlay "Lower" at 4368,2978 h40
"Lower Left Back ESC": Top Overlay "PA15" at 1898,3428 h40; Top Overlay "L.L.B." at 1368,3428 h40
"Lower Left Front ESC": Top Overlay "PA11" at 1897.99,3628.01 h40; Top Overlay "L.L.F." at 1368,3628 h40
"Lower Right Back ESC": Top Overlay "PA12" at 1898,3528 h40; Top Overlay "L.R.B." at 1368,3528 h40
"Lower Right Front ESC": Top Overlay "PA8" at 1897.99,3728.01 h40; Top Overlay "L.R.F." at 1368,3728 h40
MPU6050: Top Overlay "INT" at 2533,4462 h40 r270; Top Overlay "AD0" at 2633,4462 h40 r270; Top Overlay "XCL" at 2733,4462 h40 r270; Top Overlay "XDA" at 2833,4462 h40 r270; Top Overlay "SDA" at 2928,4462 h40 r270; Top Overlay "SCL" at 3033,4462 h40 r270; Top Overlay "+5V" at 3238,4462 h40 r270; Top Overlay "GND" at 3133,4462 h40 r270
"Power Input": Top Overlay "+5V" at 4348,4112 h40 r270; Top Overlay "GND" at 4248,4112.01 h40 r270
"Right Distance Sensor": Top Overlay "Right" at 4368,3181.33 h40
Rolicam: Top Overlay "RX (PB11)" at 3598,4032 h40 r270; Top Overlay "GND" at 3498,4032 h40 r270; Top Overlay "TX (PB10)" at 3698,4032 h40 r270
"STM32F103C8T6 Board": Top Overlay "PA0" at 3568,1878 h40; Top Overlay "PA1" at 3568,1978 h40; Top Overlay "PA3" at 3568,2178 h40; Top Overlay "PA4" at 3568,2278 h40; Top Overlay "PA6" at 3568,2378 h40; Top Overlay "PB10" at 3568,2878 h40; Top Overlay "PB11" at 3568,2978 h40; Top Overlay "RESET" at 3568,3078 h40; Top Overlay "+3.3V" at 3568,3178 h40; Top Overlay "GND" at 3568,3378 h40; Top Overlay "PB1" at 3568,2778 h40; Top Overlay "PB0" at 3568,2678 h40; Top Overlay "PA7" at 3568,2588 h40; Top Overlay "PA6" at 3568,2478 h40; Top Overlay "GND" at 3568,3278 h40; Top Overlay "PA2" at 3568,2078 h40; Top Overlay "PC15" at 3568,1778 h40; Top Overlay "PC14" at 3568,1678 h40; Top Overlay "PC13" at 3568,1578 h40; Top Overlay "Vbat" at 3568,1478 h40
"STM32F103C8T6 Board Left": Top Overlay "+3.3V" at 2058,1478 h40; Top Overlay "GND" at 2128,1578 h40; Top Overlay "+5V" at 2128,1678 h40; Top Overlay "PB9" at 2128,1778 h40; Top Overlay "PA15" at 2098,2478 h40; Top Overlay "PA11" at 2108,2678 h40; Top Overlay "PA10" at 2098,2778 h40; Top Overlay "PA9" at 2128,2878 h40; Top Overlay "PA8" at 2128,2978 h40; Top Overlay "PB15" at 2098,3078 h40; Top Overlay "PB14" at 2098,3178 h40; Top Overlay "PB13" at 2098,3278 h40; Top Overlay "PB12" at 2098,3378 h40; Top Overlay "PA12" at 2098,2578 h40; Top Overlay "PB3" at 2128,2378 h40; Top Overlay "PB4" at 2128,2278 h40; Top Overlay "PB5" at 2128,2178 h40; Top Overlay "PB6" at 2128,2078 h40; Top Overlay "PB7" at 2128,1978 h40; Top Overlay "PB8" at 2128,1878 h40
TOR0: Top Overlay "PB3" at 1628,2402 h40 r270; Top Overlay "+3.3V" at 1518,2402 h40 r270; Top Overlay "GND" at 1418,2402 h40 r270
TOR1-4: Top Overlay "GND" at 1358,1982 h40 r270; Top Overlay "+5V" at 1858,1982 h40 r270; Top Overlay "PB4" at 1458,1982 h40 r270; Top Overlay "PB5" at 1558,1982 h40 r270; Top Overlay "PB8" at 1658,1982 h40 r270; Top Overlay "PB9" at 1756.52,1983.36 h40 r270
UART1: Top Overlay "TX (PA9)" at 1548,3048 h40; Top Overlay "GND" at 1548,2748 h40; Top Overlay "RX (PA10)" at 1548,2948 h40; Top Overlay "+5V" at 1548,2848 h40
"Upper Left Back ESC": Top Overlay "PB15" at 1898,3828 h40; Top Overlay "U.L.B." at 1368,3828 h40
"Upper Left Front ESC": Top Overlay "U.L.F." at 1368,4028 h40; Top Overlay "PB13" at 1897.99,4028.01 h40
"Upper Right Back ESC": Top Overlay "PB14" at 1898,3928 h40; Top Overlay "U.R.B." at 1368,3928 h40
"Upper Right Front ESC": Top Overlay "U.R.F." at 1368,4128 h40; Top Overlay "PB12" at 1897.99,4128.01 h40
"V/C Sensor": Top Overlay "GND" at 3496.9,4478.94 h40 r270; Top Overlay "+3.3V" at 3596.89,4478.93 h40 r270; Top Overlay "SDA" at 3801.9,4478.93 h40 r270; Top Overlay "SCL" at 3696.9,4478.93 h40 r270